# Altium PCB Railgun Control Board PCB.PcbDoc (part 1 of 2) (continued)
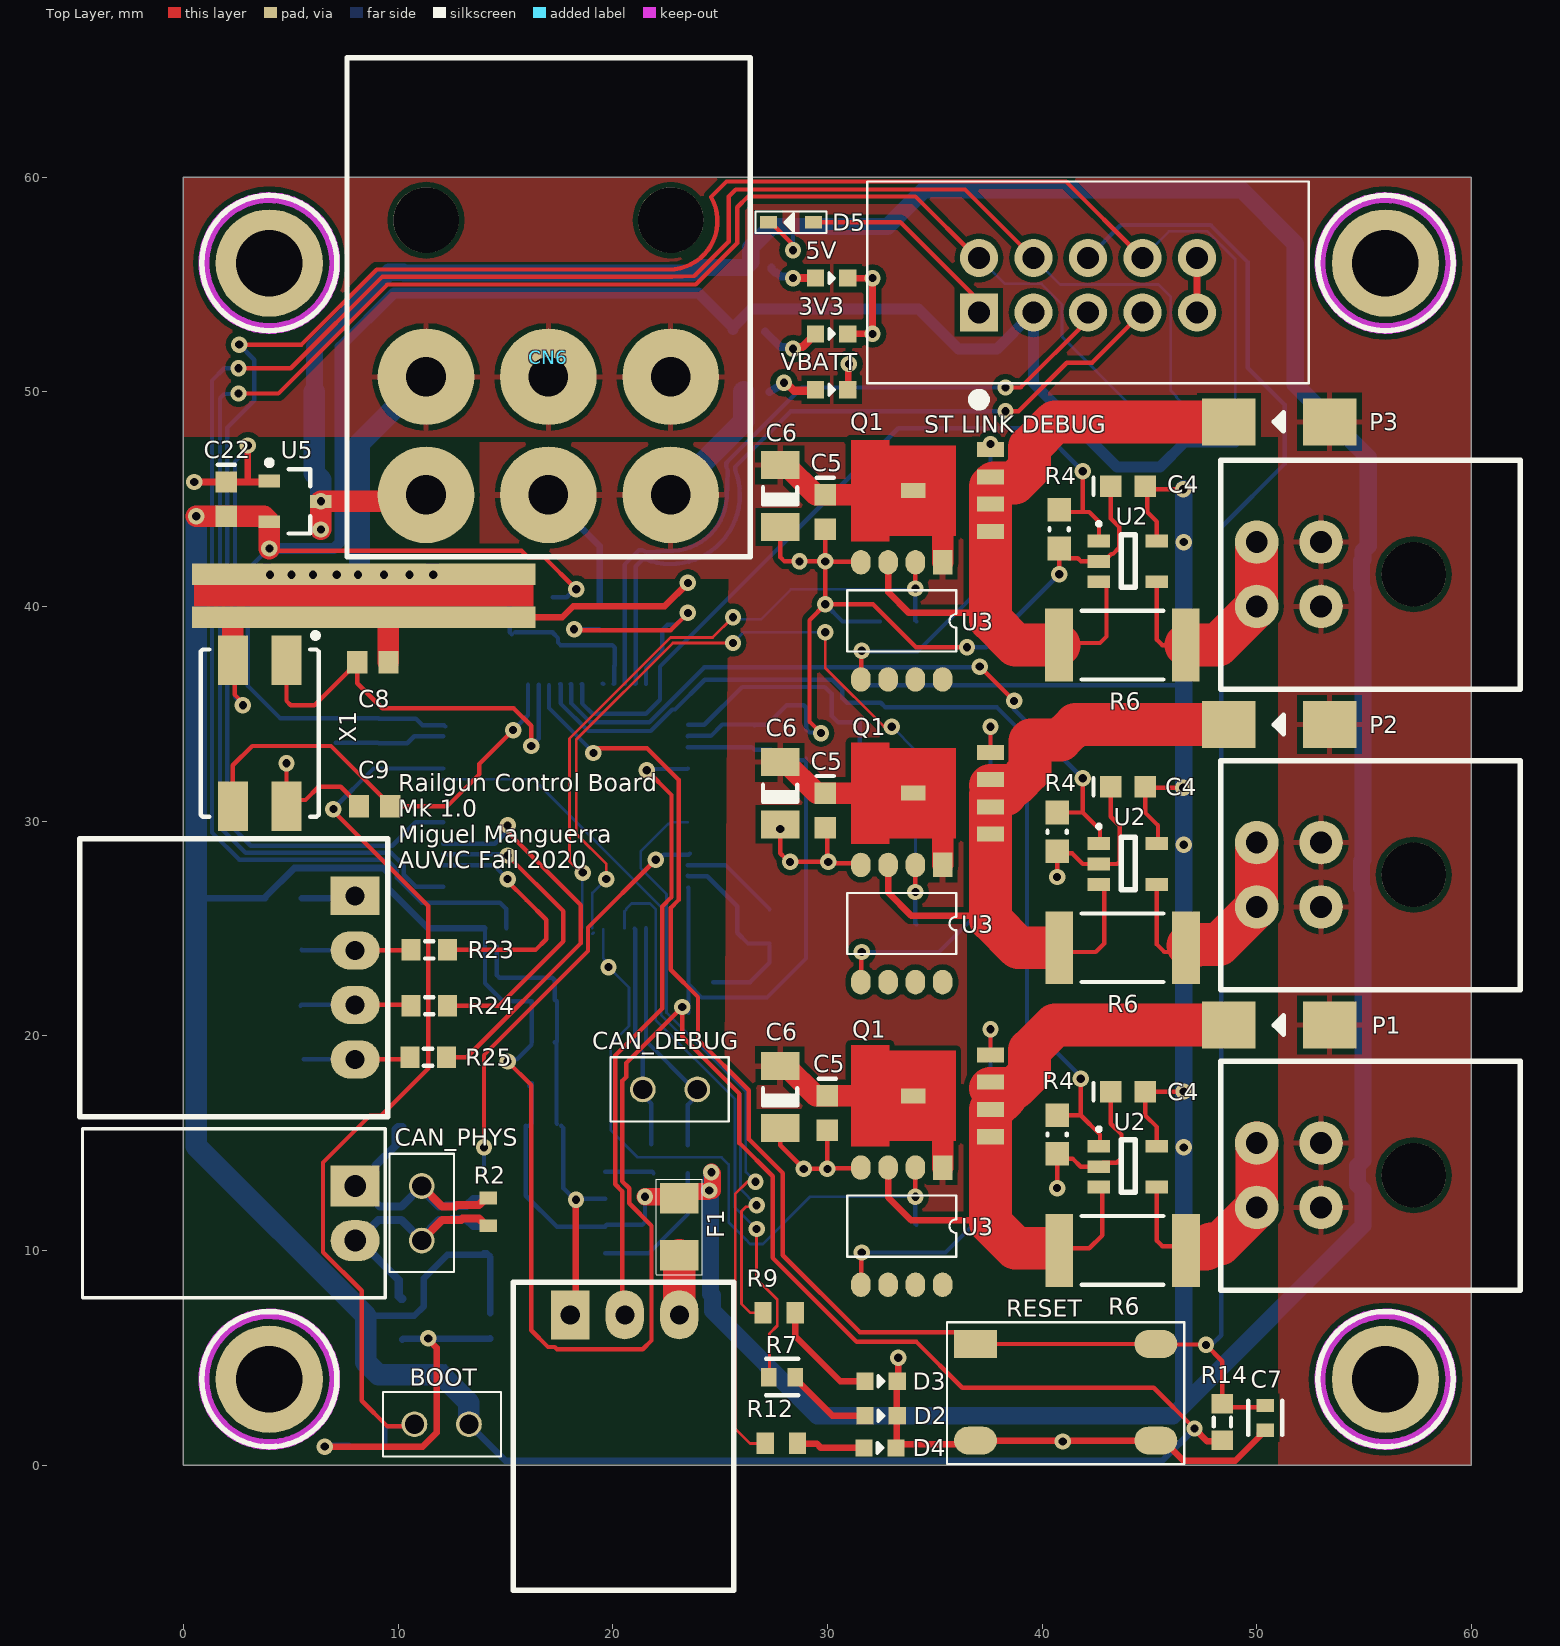
[diagram p0: Top Layer view]
## Classes and differential pairs
component class Gin1: C4_Gin1 C5_Gin1 C6_Gin1 CN2_Gin1 D1_Gin1 Q1_Gin1 R4_Gin1 R5_Gin1 R6_Gin1 U2_Gin1 U3_Gin1
component class Gin3: C4_Gin3 C5_Gin3 C6_Gin3 CN2_Gin3 D1_Gin3 Q1_Gin3 R4_Gin3 R5_Gin3 R6_Gin3 U2_Gin3 U3_Gin3
channel class "Control Gates": Gin2
net class Phase_Input[1..3]: Phase_Input1 Phase_Input2 Phase_Input3
net class Phase_Current[1..3]: Phase_Current1 Phase_Current2 Phase_Current3
component class Gin2: C6 CN2_Gin3 R4 U3
component class Power: 3V3 5V C20 C21 C22 CN6 R26 R27 R28 U5 VBATT
component class Micro: BOOT C7 C8 C9 C10 C11 C12 C13 C14 C15 C16 C17 C18 C19 D2 D3 D4 D5 F1 FB1 MH1 MH2 MH3 MH4 R7 R8 R9 R10 R11 R12 R13 R14 R15 R16 R17 R18 R19 R20 R21 R22 R23 R24 R25 RESET U4 X1
component class CAN: C1 C2 C3 CAN0 CAN_DEBUG CAN_PHYS CN1 R1 R2 R3 TVS1 TVS2 U1
differential pair CAN: +CAN_P -CAN_N

## Components (designator, comment, footprint, x,y, rotation, side; value= is the part's Value field where it differs from the comment)
3V3 "Green" FP-LB_Q39E-MFG 30.2,52.7 r180 top (schematic designator D8)
5V "Green" FP-LB_Q39E-MFG 30.2,55.3 r180 top (schematic designator D7)
BOOT "1x2 Male Header" "2X1 Males Header" 13.3,1.9 r180 top (schematic designator JP3)
C1 "CL10B104JB8NNNC" FP-CL10-0_1-MFG 16.8,17.8 r0 bottom
C2 "CL21B105KBFNNNG" "0803 CAP" 16.8,15.8 r0 bottom
C3 "CL10B104JB8NNNC" FP-CL10-0_1-MFG 14.3,6.5 r270 bottom
C4 "0.1uF" "CAPC1608N(0603\")" 44,45.6 r0 top
C4 "0.1uF" "CAPC1608N(0603\")" 44,31.6 r0 top
C4 "0.1uF" "CAPC1608N(0603\")" 44,17.4 r0 top
C5 "0.1uF" "CAPC1608N(0603\")" 29.9,44.4 r270 top
C5 "0.1uF" "CAPC1608N(0603\")" 29.9,30.5 r270 top
C5 "0.1uF" "CAPC1608N(0603\")" 30,16.4 r270 top
C6 "10uF 50V" "CAPC3216N(1206\")" 27.8,45.15 r270 top value=10µF
C6 "10uF 50V" "CAPC3216N(1206\")" 27.8,31.3 r270 top value=10µF
C6 "10uF 50V" "CAPC3216N(1206\")" 27.8,17.15 r270 top value=10µF
C7 "CL10B104JB8NNNC" FP-CL10-0_1-MFG 50.4,2.2 r270 top
C8 "16pF Ceramic 50V 5% 0603" CAPC1608X90X35ML10T15 8.825,37.4 r180 top
C9 "16pF Ceramic 50V 5% 0603" CAPC1608X90X35ML10T15 8.9,30.7 r0 top
C10 "CL10B104JB8NNNC" FP-CL10-0_1-MFG 14.6,40.5 r180 bottom
C11 "CL21B105KBFNNNG" "0803 CAP" 14.6,38.8 r180 bottom
C12 "2.2uF, 50V" "CAPC1608N(0603\")" 27.3,25.1 r270 bottom value=2.2µF
C13 "CL10B104JB8NNNC" FP-CL10-0_1-MFG 26.6,33.9 r90 bottom
C14 "CL10B104JB8NNNC" FP-CL10-0_1-MFG 24.1,22.5 r0 bottom
C15 "CL10B104JB8NNNC" FP-CL10-0_1-MFG 16.8,19.7 r0 bottom
C16 "CL10B104JB8NNNC" FP-CL10-0_1-MFG 16.8,21.6 r0 bottom
C17 "CL10B104JB8NNNC" FP-CL10-0_1-MFG 7.1,34.225 r270 bottom
C18 "CL10B104JB8NNNC" FP-CL10-0_1-MFG 9.1,34.2 r270 bottom
C19 "50V 10uF" CAPC3216X180X50LL20T30 28.9,34.1 r90 bottom
C20 "0.1uF, 50V, 10%, X7R, 1608" "CAPC1608N(0603\")" 5.3,50 r0 bottom
C21 "1uF 50V 0603 SMD, Ceramic" "CAPC1608N(0603\")" 5.3,47.4 r0 bottom value=1µF
C22 "1uF 50V 0603 SMD, Ceramic" "CAPC1608N(0603\")" 2,45 r270 top value=1µF
CAN_DEBUG "1x2 Male Header" "2X1 Males Header" 21.4,17.5 r0 top (schematic designator JP1)
CAN_PHYS "1x2 Male Header" "2X1 Males Header" 11.1,13 r270 top (schematic designator JP2)
CN1 "1x2 Shrouded Right Angle" "2X1 Female Header" 8,13 r0 top
CN2 "Header, Female, 2x2, RIght Angle, Pitch: 0.118\"  (3.00mm), THT" "2x2 Pitch 118mil connector" 53,29 r270 top
CN2 "Header, Female, 2x2, RIght Angle, Pitch: 0.118\"  (3.00mm), THT" "2x2 Pitch 118mil connector" 53,43 r270 top
CN2 "Header, Female, 2x2, RIght Angle, Pitch: 0.118\"  (3.00mm), THT" "2x2 Pitch 118mil connector" 53,15 r270 top
CN4 "Header, Male, 1x3, RA, Pitch (2.54mm) 0.1\"" 5-103635-2-Footprint-1 18.02,7 r90 top
CN5 "Header, Male, 1x4, RA, Pitch 0.1\" (2.54mm)" "HEADER, MALE, SHROUDED, 4x1, PITCH 0.1\" (2.54mm), RA" 8,26.52 r0 top
CN6 "76825-0006" 76825-0006-Footprint-1 11.3,50.7 r0 top
D2 "Red" FP-LB_Q39E-MFG 32.5,2.3 r180 top
D3 "Blue" FP-LB_Q39E-MFG 32.5,3.9 r180 top
D4 "Green" FP-LB_Q39E-MFG 32.45,0.8 r180 top
D5 "CUS08F30,H3F" SC-76 28.3,57.9 r180 top
F1 "SMD Fuse, 2A, 63V," "1206 SMD" 23.1,11.1 r90 top
FB1 "BLM18AG601SN1D" MURA-BLM18-F-H1-CHIP-2_V 17.2,39.6 r270 bottom
MH1 "Mount_Hole_3mm" Mount-Hole_3mm 4,4 r0 top locked
MH2 "Mount_Hole_3mm" Mount-Hole_3mm 4,56 r0 top locked
MH3 "Mount_Hole_3mm" Mount-Hole_3mm 56,56 r0 top locked
MH4 "Mount_Hole_3mm" Mount-Hole_3mm 56,4 r0 top locked
NT1 "Net Tie, 16x3mm" NETTIE_16x3mm 8.4,40.5 r270 top net-tie
P1 "TSSA5U50E3GCT-ND" DO-214AC 51.05,20.5 r180 top (schematic designator D1)
P2 "TSSA5U50E3GCT-ND" DO-214AC 51.05,34.5 r180 top (schematic designator D1)
P3 "TSSA5U50E3GCT-ND" DO-214AC 51.05,48.6 r180 top (schematic designator D1)
Q1 "MOSFET N-Channel" LFPAK-PowerSO8 37.6,43.495 r90 top
Q1 "MOSFET N-Channel" LFPAK-PowerSO8 37.6,29.395 r90 top
Q1 "MOSFET N-Channel" LFPAK-PowerSO8 37.6,15.295 r90 top
R1 "33R" RESC1608X55X25LL10T15 21.8,14.3 r270 bottom
R2 "120R" RESC1608X55X25LL10T15 14.2,11.8 r270 top
R3 "33R" RESC1608X55X25LL10T15 23.5,14.25 r270 bottom
R4 "80.6kR, 1%, 1/10W, 0603" RESC0603(1608)_M 40.8,43.6 r90 top
R4 "80.6kR, 1%, 1/10W, 0603" RESC0603(1608)_M 40.7,29.5 r90 top
R4 "80.6kR, 1%, 1/10W, 0603" RESC0603(1608)_M 40.7,15.4 r90 top
R5 "10kR" "RESC1608N(0603\")" 33.3,39.3 r180 bottom value=10k
R5 "10kR" "RESC1608N(0603\")" 33.3,25.2 r180 bottom value=10k
R5 "10kR" "RESC1608N(0603\")" 33.3,11.2 r180 bottom value=10k
R6 "0R02, 1%, 2W, 2512 SMD" "RESC6332N(2512\")" 43.745,38.2 r180 top value=0.02
R6 "0R02, 1%, 2W, 2512 SMD" "RESC6332N(2512\")" 43.75,24.1 r180 top value=0.02
R6 "0R02, 1%, 2W, 2512 SMD" "RESC6332N(2512\")" 43.75,10 r180 top value=0.02
R7 "CRCW0603330RFKEA" FP-CRCW0603-e3-IPC_C 27.885,4.1 r0 top
R8 "1kR" "RESC1608N(0603\")" 4.65,26.4 r0 bottom value=1k
R9 "RC0603FR-07110RL" RESC1608X55X25ML10T15 27.75,7.1 r0 top
R10 "10kR" "RESC1608N(0603\")" 4.65,24 r180 bottom value=10k
R11 "10kR" "RESC1608N(0603\")" 4.6,21.4 r180 bottom value=10k
R12 "RC0603FR-07110RL" RESC1608X55X25ML10T15 27.85,1.025 r0 top
R13 "10kR" "RESC1608N(0603\")" 4.75,18.9 r180 bottom value=10k
R14 "10kR" "RESC1608N(0603\")" 48.4,2 r90 top value=10k
R15 "ERJ-3EKF8252V" RESC1608X55X30LL15T15 19.4,39.5 r270 bottom
R16 "16kR, 1%, 1/10W, 0603 SMD" "RESC1608N(0603\")" 31.5,35.45 r90 bottom value=16k
R17 "10kR" "RESC1608N(0603\")" 8.55,0.9 r180 bottom value=10k
R18 "RC0603FR-0710KL" RESC1608X55X25NL10T15 22.3,39.6 r90 bottom
R19 "27kR" FP-CRGCQ0603-IPC_B 31.5,31.127 r90 bottom
R20 "10kR" "RESC1608N(0603\")" 44.2,48.5 r90 bottom value=10k
R21 "10kR" "RESC1608N(0603\")" 46.7,48.5 r90 bottom value=10k
R22 "10kR" "RESC1608N(0603\")" 49,48.5 r90 bottom value=10k
R23 "1kR" "RESC1608N(0603\")" 11.45,24 r180 top value=1k
R24 "1kR" "RESC1608N(0603\")" 11.45,21.4 r180 top value=1k
R25 "1kR" "RESC1608N(0603\")" 11.4,19 r180 top value=1k
R26 "6.34kR" RESC1609X50X30NL10T20 26.675,50 r0 bottom
R27 "536R" RESC1608X55X30LL15T15 26.775,55.8 r0 bottom
R28 "110R" RESC1608X55X25ML10T15 26.35,52.9 r0 bottom
RESET "PTS645SL43SMTR92LFS" 4-SPST-NO 37.1,5.638 r0 top (schematic designator SW1)
"ST LINK DEBUG" "ST Debug Header 10-pin THT" "10-pin shrouded header THT" 37.06,53.7 r0 top (schematic designator CN3)
TVS1 "PESD36VS2UT,215" SOT95P245X110-3N 11.4,16.7 r0 bottom
TVS2 "PESD36VS2UT,215" SOT95P245X110-3N 11.4,6.8 r0 bottom
U1 "CAN Transceiver" 8-SOIC 16.825,11.765 r180 bottom
U2 "INA168, Current Sensor, High-Side, Analog" SOT23-5 44,42.1 r270 top
U2 "INA168, Current Sensor, High-Side, Analog" SOT23-5 44,28 r270 top
U2 "INA168, Current Sensor, High-Side, Analog" SOT23-5 44,13.9 r270 top
U3 "MIC5014YM-TR" "SOC 8" 35.37,42.06 r270 top
U3 "MIC5014YM-TR" "SOC 8" 35.37,27.96 r270 top
U3 "MIC5014YM-TR" "SOC 8" 35.37,13.86 r270 top
U4 "STM32F413RGT6" FP-LQFP64-5W-IPC_A 17.8,30.7 r270 bottom
U5 "3.3V 250mA Linear Reg LDO" SOT95P245X110-3N 5.2,44.9 r0 top
VBATT "Green" FP-LB_Q39E-MFG 30.2,50.1 r180 top (schematic designator D6)
X1 "CRYSTAL 8.0MHZ 16PF SMD" QFN250P750X520X140_HS-5M 3.55,34.1 r270 top

## Footprints (in the part's own frame and the unit in brackets; to place one, negate y for a bottom-side part, rotate by r counter-clockwise, add the part's x,y. Pads: shape width x height; smd on the part's side, far side on the other; paste and mask are expansions set on the pad)
"2X1 Female Header" [mil]
  rect 90x75 hole 40: 1(0,0)
  oval 90x75 hole 40: 2(0,-100)
  silkscreen extent -500,-205 55,105, body extent -495,-200 40,100, height 273
"2X1 Males Header" [mm]
  round 1.2 hole 0.9: 1(0,0) 2(2.54,0)
  silkscreen extent -1.5,-1.5 4,1.5, body extent -1.27,-1.24 3.81,1.24, height 8.54
"2x2 Pitch 118mil connector" [mil]
  round 80 hole 40: 1(0,0) 2(117.99,0) 3(0,-118) 4(118,-118)
  round 118.11 hole 118.11: None(59.06,170.08)
  silkscreen extent -150,-184 270,365, body extent -141,-129 259,353, height 348
4-SPST-NO [mm]
  rect 2x1.3 smd: 1(-0.2,0)
  oval 2x1.3 smd: 2(8.2,0) 3(-0.2,-4.5) 4(8.2,-4.5)
  silkscreen extent -1.52,-5.59 9.53,1.02, body extent -0.56,-5.29 8.44,0.71, height 5
5-103635-2-Footprint-1 [mil]
  rect 90x70 hole 35: 1(0,0)
  oval 90x70 hole 35: 2(0,-100) 3(0,-200)
  silkscreen extent -505,-300 60,105, body extent -495,-295 40,100, height 280
8-SOIC [mm] "SOIC, 8-Leads, Body 5x4mm, Pitch 1.27mm, IPC Low Density"
  rrect15% 1.65x0.65 smd: 1(-2.825,1.905) 2(-2.825,0.635) 3(-2.825,-0.635) 4(-2.825,-1.905) 5(2.825,-1.905) 6(2.825,-0.635) 7(2.825,0.635) 8(2.825,1.905)
  silkscreen extent -2.95,-2.5 1.6,2.9, body extent -3,-2.45 3,2.45, height 1.63
"10-pin shrouded header THT" [mil]
  rect 70x70 hole 40: 1(0,0)
  round 70 hole 40: 2(100,0) 3(200,0) 4(300,0) 5(400,0) 6(0,100) 7(100,100) 8(200,100) 9(300,100) 10(400,100)
  silkscreen extent -205,-170 605,240, body extent -198,-124 598,234, height 358
"0803 CAP" [mm] "Chip Capacitor, 2-Leads, Body 2.00x1.25mm, IPC Medium Density"
  rect 1.2x1.4 smd: 1(-0.85,0) 2(0.85,0)
  body extent -1.05,-0.67 1.05,0.67, height 1.25
"1206 SMD" [mm]
  rect 1.42x1.78 smd: 1(-1.33,0) 2(1.33,0)
  silkscreen extent -2.22,-1.07 2.21,1.07, body extent -1.6,-0.8 1.6,0.8, height 0.6
76825-0006-Footprint-1 [mm]
  round 4.5 hole 1.85: 1(0,0) 2(5.7,0) 3(11.4,0) 4(0,-5.5) 5(5.7,-5.5) 6(11.4,-5.5)
  round 3.05 hole 3.05: None1(0,7.3) None2(11.4,7.3)
  silkscreen extent -3.68,-8.38 15.11,14.86, body extent -3.16,-6.03 14.6,15.93, height 14.54
"CAPC1608N(0603\")" [mm] "Chip Capacitor, Body 1.6x0.8mm (0603\"), IPC Medium Density"
  rect 1x1 smd: 1(-0.8,0) 2(0.8,0)
  silkscreen extent -1.6,-0.4 -1.6,0.4, body extent -0.8,-0.4 0.8,0.4, height 0.9
CAPC1608X90X35ML10T15 [mm] "Chip Capacitor, 2-Leads, Body 1.60x0.80mm, IPC Low Density"
  rect 0.95x1.05 smd: 1(-0.725,0) 2(0.725,0)
  body extent -0.85,-0.45 0.85,0.45, height 0.9
"CAPC3216N(1206\")" [mm] "Chip Capacitor, Body 3.2x1.6mm (1206\"), IPC Medium Density"
  rect 1.3x1.8 smd: 1(-1.45,0) 2(1.45,0)
  silkscreen extent -0.4,-0.8 0.4,0.8, body extent -1.6,-0.8 1.6,0.8, height 1
CAPC3216X180X50LL20T30 [mm] "Chip Capacitor, 2-Leads, Body 3.4x1.8mm, IPC High Density"
  rect 1.2x1.7 smd: 1(-1.25,0) 2(1.25,0)
  silkscreen extent -0.25,-0.75 0.25,0.75, body extent -1.7,-0.9 1.7,0.9, height 1.8
DO-214AC [mm]
  rect 2.5x2.2 smd: 1(-2.35,0) 2(2.35,0)
  silkscreen extent -0.2,-0.43 0.23,0.43, body extent -2.74,-1.4 2.74,1.4, height 2.26
FP-CL10-0_1-MFG [mm]
  rect 0.625x0.825 smd paste+0 mask+0: 1(-0.575,0) 2(0.575,0)
  silkscreen extent -0.8,-0.79 0.8,0.79, body extent -0.8,-0.4 0.8,0.4, height 0.9
FP-CRCW0603-e3-IPC_C [mm]
  rect 0.735x0.862 smd paste+0 mask+0: 1(-0.615,0) 2(0.615,0)
  silkscreen extent -0.75,-0.85 0.75,0.85, body extent -1.08,-0.58 1.08,0.58, height 0.25
FP-CRGCQ0603-IPC_B [mm]
  rect 0.958x0.912 smd paste+0 mask+0: 1(-0.727,0) 2(0.727,0)
  silkscreen extent -1.21,-0.86 1.21,0.86, body extent -0.8,-0.4 0.8,0.4, height 0.55
FP-LB_Q39E-MFG [mm]
  rect 0.8x0.8 smd paste+0 mask+0: 1(-0.75,0) 2(0.75,0)
  silkscreen extent -0.13,-0.25 0.13,0.25, body extent -1.25,-0.55 1.25,0.55, height 0.25
FP-LQFP64-5W-IPC_A [mm]
  rect 1.788x0.312 smd paste+0 mask+0: 1(-5.691,3.75)
  rrect100% 1.788x0.312 smd paste+0 mask+0: 2(-5.691,3.25) 3(-5.691,2.75) 4(-5.691,2.25) 5(-5.691,1.75) 6(-5.691,1.25) 7(-5.691,0.75) 8(-5.691,0.25) 9(-5.691,-0.25) 10(-5.691,-0.75) 11(-5.691,-1.25) 12(-5.691,-1.75) 13(-5.691,-2.25) 14(-5.691,-2.75) 15(-5.691,-3.25) 16(-5.691,-3.75) 33(5.691,-3.75) 34(5.691,-3.25) 35(5.691,-2.75) 36(5.691,-2.25) 37(5.691,-1.75) 38(5.691,-1.25) 39(5.691,-0.75) 40(5.691,-0.25) 41(5.691,0.25) 42(5.691,0.75) 43(5.691,1.25) 44(5.691,1.75) 45(5.691,2.25) 46(5.691,2.75) 47(5.691,3.25) 48(5.691,3.75)
  rrect100% 0.312x1.788 smd paste+0 mask+0: 17(-3.75,-5.691) 18(-3.25,-5.691) 19(-2.75,-5.691) 20(-2.25,-5.691) 21(-1.75,-5.691) 22(-1.25,-5.691) 23(-0.75,-5.691) 24(-0.25,-5.691) 25(0.25,-5.691) 26(0.75,-5.691) 27(1.25,-5.691) 28(1.75,-5.691) 29(2.25,-5.691) 30(2.75,-5.691) 31(3.25,-5.691) 32(3.75,-5.691) 49(3.75,5.691) 50(3.25,5.691) 51(2.75,5.691) 52(2.25,5.691) 53(1.75,5.691) 54(1.25,5.691) 55(0.75,5.691) 56(0.25,5.691) 57(-0.25,5.691) 58(-0.75,5.691) 59(-1.25,5.691) 60(-1.75,5.691) 61(-2.25,5.691) 62(-2.75,5.691) 63(-3.25,5.691) 64(-3.75,5.691)
  silkscreen extent -6.07,-4.25 4.25,4.68, body extent -6,-6 6,6, height 1.6
"HEADER, MALE, SHROUDED, 4x1, PITCH 0.1\" (2.54mm), RA" [mil]
  rect 90x70 hole 35: 1(0,0)
  oval 90x70 hole 35: 2(0,-100) 3(0,-200) 4(0,-300)
  silkscreen extent -505,-405 60,105, body extent -495,-397 40,97, height 270
LFPAK-PowerSO8 [mm] "LFPAK-PowerSO8"
  rect 0.7x1.25 smd: 1(0,0) 2(1.27,0) 3(2.54,0) 4(3.81,0)
  rect 0.7x1.15 smd: 5(1.905,3.6)
  Top Layer region: -0.195,1.625 4.005,1.625 4.005,4.725 4.255,4.725 4.255,6.5 3.74,6.5 3.1,6.5 1.9,6.5 -0.445,6.5 -0.445,4.725 -0.195,4.725
  body extent -0.59,-0.4 4.41,6.2, height 1.09
Mount-Hole_3mm [mm]
  round 5 hole 3.1: 1(0,0)
  Keep-Out Layer circle w0.508: c0,0 r3.048
  silkscreen extent -3.15,-3.15 3.15,3.15, body extent -2.25,-2.6 2.25,2.6, height 4.19
MURA-BLM18-F-H1-CHIP-2_V [mm] "Chip Ferrite Bead, 2-Leads, Body 1.6x0.8mm, Height 0.95mm, Flow"
  rect 0.95x0.7 smd: 1(-0.825,0) 2(0.825,0)
  body extent -0.8,-0.4 0.8,0.4, height 0.95
NETTIE_16x3mm [mm]
  rect 1x16 smd: 1(-1,0) 2(1,0)
  Top Layer region: -0.5,-7.9 0.5,-7.9 0.5,7.9 -0.5,7.9
QFN250P750X520X140_HS-5M [mm] "QFN, 4-Leads, Body 7.50x5.20mm, Pitch 2.50mm, Thermal Pad 4.10x1.10mm, IPC Low Density"
  rect 2.3x1.4 smd: 1(-3.4,1.25) 2(-3.4,-1.25) 3(3.4,-1.25) 4(3.4,1.25)
  silkscreen extent -4.67,-2.75 3.9,2.75, body extent -3.75,-2.6 3.75,2.6, height 1.4
RESC0603(1608)_M [mm] "Chip Resistor, Body 1.6x0.8mm, IPC Low Density"
  rect 1.1x1.1 smd: 1(-0.9,0) 2(0.9,0)
  silkscreen extent -0.05,-0.45 0.05,0.45, body extent -0.85,-0.47 0.85,0.47, height 0.6
"RESC1608N(0603\")" [mm] "Chip Resistor, Body 1.6x0.8mm (0603\"), IPC Medium Density"
  rect 0.9x1 smd: 1(-0.85,0) 2(0.85,0)
  silkscreen extent -0.2,-0.4 0.2,0.4, body extent -0.77,-0.42 0.78,0.43, height 0.44
RESC1608X55X25LL10T15 [mm] "Chip Resistor, 2-Leads, Body 1.60x0.80mm, IPC High Density"
  rect 0.6x0.8 smd: 1(-0.65,0) 2(0.65,0)
  body extent -0.85,-0.45 0.85,0.45, height 0.55
RESC1608X55X25ML10T15 [mm] "Chip Resistor, 2-Leads, Body 1.60x0.80mm, IPC Low Density"
  rect 0.8x1 smd: 1(-0.75,0) 2(0.75,0)
  body extent -0.85,-0.45 0.85,0.45, height 0.55
RESC1608X55X25NL10T15 [mm] "Chip Resistor, 2-Leads, Body 1.70x0.90mm, IPC Medium Density"
  rect 0.7x0.9 smd: 1(-0.7,0) 2(0.7,0)
  body extent -0.85,-0.45 0.85,0.45, height 0.55
RESC1608X55X30LL15T15 [mm] "Chip Resistor, 2-Leads, Body 1.60x0.80mm, IPC High Density"
  rect 0.7x0.85 smd: 1(-0.625,0) 2(0.625,0)
  body extent -0.87,-0.48 0.87,0.48, height 0.55
RESC1609X50X30NL10T20 [mm] "Chip Resistor, 2-Leads, Body 1.55x0.85mm, IPC Medium Density"
  rect 0.8x0.95 smd: 1(-0.625,0) 2(0.625,0)
  body extent -0.82,-0.48 0.82,0.48, height 0.5
"RESC6332N(2512\")" [mm] "Chip Resistor, Body 6.3x3.2mm (2512\"), IPC Medium Density"
  rect 1.3x3.4 smd: 1(-2.95,0) 2(2.95,0)
  silkscreen extent -1.9,-1.6 1.9,1.6, body extent -3.2,-1.6 3.2,1.6, height 0.6
SC-76 [mm]
  rect 0.8x0.6 smd: A(-1.05,0) K(1.05,0)
  silkscreen extent -1.65,-0.5 1.65,0.5, body extent -1.25,-0.65 1.25,0.6, height 0.9
"SOC 8" [mm]
  rect 1.14x0.91 smd: 1(0,0)
  oval 1.14x0.91 smd: 2(0,-1.27) 3(0,-2.54) 4(0,-3.81) 5(5.46,-3.81) 6(5.46,-2.54) 7(5.46,-1.27) 8(5.46,0)
  silkscreen extent 1.3,-4.44 4.16,0.64, body extent -0.33,-4.32 5.67,0.58, height 1.75
SOT23-5 [mm] "SOT23-5 SMT"
  rect 0.6x1.05 smd: 1(-0.95,-1.35) 2(0,-1.35) 3(0.95,-1.35) 4(0.95,1.35) 5(-0.95,1.35)
  silkscreen extent -1.8,-1.4 1.2,0.35, body extent -1.5,-1.25 1.5,1.25, height 1.1
SOT95P245X110-3N [mm] "SOT23, 3-Leads, Body 2.90x2.45mm, Pitch 0.95mm, IPC Medium Density"
  rect 1x0.6 smd: 1(-1.2,0.95) 2(-1.2,-0.95) 3(1.2,0)
  silkscreen extent -1.32,-1.5 0.7,1.92, body extent -1.3,-1.5 1.3,1.5, height 1.1

## Part data
3V3 5V D4 VBATT: library part CMP-00064-3, "LED GREEN DIFFUSED 0603 SMD", Case/Package=SMD/SMT, Forward Current=15mA, Forward Voltage=2.85V, Max Operating Temperature=85°C, Min Operating Temperature=-40°C, Reverse Voltage=5V, Test Current=5mA, Color=Green, Depth=0.9mm, Dominant Wavelength=530nm, Length=1.7mm, Lens Style=Diffused,Colorless,Rectangular, Luminous Flux=0.55lm, Luminous Intensity=280mcd, Mount="Surface Mount", Number of Elements=1, Number of LEDs=1, Number of Pins=2, Packaging="Tape and Reel", Radiation Hardening=No
BOOT CAN_DEBUG CAN_PHYS: library part CMP-004-0001-1, Component Type=Standard, Design Item ID="1x2 Male Header", Made By="Andy Bates", Pin Count=2, Source=AUVic_Schematic_Library_Connectors.SchLib
C1 C3 C7 C10 C13 C14 C15 C16 C17 C18: library part CMP-00000-3, "CAP CER 0.1UF 50V X7R 0603", Capacitance=0.1uF, Case Code (Imperial)=0603, Case Code (Metric)=1608, Dielectric=X7R, Max Operating Temperature=125°C, Min Operating Temperature=-55°C, Package Quantity=1, Tolerance=5%, Voltage=50V, Case/Package=0603, Contact Plating=Tin, Depth=0.8mm, Height=0.8mm, Length=1.6mm, Material=Ceramic, Mount="Surface Mount", Packaging="Tape and Reel", Radiation Hardening=No, Thickness=0.035inch, Voltage Rating=50V, Width=0.031inch
C2 C11: library part CMP-00005-1, "SAMSUNG ELECTRO-MECHANICS - CL21B105KBFNNNG - MLCC CAPACITORS", Capacitance=1uF, Case Code (Imperial)=0805, Case Code (Metric)=2012, Dielectric=X7R, Max Operating Temperature=125°C, Min Operating Temperature=-55°C, Package Quantity=3000, Tolerance=10%, Voltage=50V, Case/Package=0805, Contact Plating=Tin, Depth=1.25mm, Length=2mm, Material=Ceramic, Mount="Surface Mount", Packaging="Tape and Reel", Termination=Wraparound, Thickness=0.053inch, Voltage Rating=50V, Width=0.049inch
C4 C4 C4 C5 C5 C5 C20: library part CMP-006-0008-1, "CAP CER 0.1UF 50V 10% X7R 1608 (0603)", Capacitance=0.1µF, Manufacturer="Samsung Electro-Mechanics America, Inc", Manufacturer Part Number=CL10B104KB8SFNC, Operating Temperature="-55°C ~ 125°C", Package / Case="0603 (1608 Metric)", Ratings=-, Temperature Coefficient=X7R, Tolerance=±10%, Voltage - Rated=50V, Applications="Boardflex Sensitive", Category=Capacitors, Component Type=Standard, ComponentLink1Description=http://www.samsungsem.com/servlet/FileDownload?type=spec&file=CL10B104KB8SFNC.pdf, ComponentLink1URL=http://www.samsungsem.com/servlet/FileDownload?type=spec&file=CL10B104KB8SFNC.pdf, Design Item ID="0.1uF, 50V, 10%, X7R, 1608", Features="Soft Termination", Height - Seated (Max)=-, Lead Spacing=-, Lead Style=-, Mounting Type="Surface Mount, MLCC", Packaging="Cut Tape (CT)", Pin Count=2, Pricing 1="1=0.12, 10=0.033, 25=0.0232, 100=0.0152, 500=0.01064, 1000=0.00829 (CAD)", RoHS="RoHS Compliant", Size / Dimension="0.063\" L x 0.031\" W (1.60mm x 0.80mm)", Source=AUVic_Schematic_Library_Capacitors.SchLib, Stock 1=743572, Thickness (Max)="0.035\" (0.90mm)"
C6 C6 C6: library part CMP-006-0018-1, "Capacitor, Ceramic, 50V, +/- 10%, 1206 SMD, X5R", Component Type=Standard, Design Item ID="10uF 50V 1206 SMD, Ceramic", PackageDescription="Chip Capacitor", Pin Count=2, Published=14-06-01, Publisher=AUVic, Source=AUVic_Schematic_Library_Capacitors.SchLib
C8 C9: library part CMP-00087-2, "Cap Ceramic 16pF 50V C0G 5% SMD 0603 125C Paper T/R", Capacitance=16pF, Case Code (Imperial)=0603, Case Code (Metric)=1608, Dielectric=C0G, Max Operating Temperature=125°C, Min Operating Temperature=-55°C, Package Quantity=1, Temperature Coefficient=30ppm/°C, Tolerance=5%, Voltage="16pF 50V", Voltage Rating=50V, Case/Package=0603, Depth=0.8mm, Height=0.8mm, Lead Free="Lead Free", Length=1.6mm, Mount="Surface Mount", Packaging="Tape and Reel", Radiation Hardening=No, Termination=SMD/SMT, Thickness=0.035inch, Voltage Rating (DC)=50V, Width=0.8mm
C12: library part CMP-006-0030-1, "Capacitor, Ceramic, 50V, 10%, 0603 SMD, X5R", Component Type=Standard, Design Item ID="2.2uF, 50V, 0603 SMD, X5R, Ceramic", PackageDescription="Chip Capacitor", Pin Count=2, Publisher=AUVic, Source=AUVic_Schematic_Library_Capacitors.SchLib
C19: library part CMP-00004-1, "Cap Ceramic 10uF 50V X7R 10% Pad SMD 1206 125°C T/R", Capacitance=10uF, Case Code (Imperial)=1206, Case Code (Metric)=3216, Dielectric=X7R, Max Operating Temperature=125°C, Min Operating Temperature=-55°C, Tolerance=10%, Voltage Rating=50V, Case/Package=1206, Lead Free="Lead Free", Length=0.126inch, Mount="Surface Mount", Packaging="Tape and Reel", Thickness=0.071inch, Voltage Rating (DC)=50V, Width=0.063inch
C21 C22: library part CMP-006-0028-1, "Capacitor, Ceramic, 50V, +/- 10%, 0603 SMD, X5R", Component Type=Standard, Created By="Lyden Smith", Date Created=2017-10-26, Design Item ID="1uF 50V 0603 SMD, Ceramic", PackageDescription="Chip Capacitor", Pin Count=2, Source=AUVic_Schematic_Library_Capacitors.SchLib
CN1: library part CMP-00010-3, "02 MTE HDR SRRA LATCH", Color=Black, Contact Current Rating=3A, Contact Resistance=15mR, Flammability Rating="UL94 V-0", Insulation Resistance=5GR, Max Operating Temperature=105°C, Min Operating Temperature=-65°C, Package Quantity=68, Approvals=CSA, Backwall/Post Interruptions="No (Without)", Connector Type=Plug,Header,Pin, Contact Gender=Male, Contact Material=Brass, Contact Mating Length=0.23inch, Contact Plating=Gold,Tin,Matte, Contact Retention="Yes (With)", Contact Shape=Square, Current Rating=3A, Depth=13.59mm, ELV=Compliant, Gender=Male, Height=13.59mm, Housing Color=Black, Housing Material=Thermoplastic, Lead Free="Lead Free", Length=7.62mm, Mating Alignment="Yes (With)", Mating Retention="Yes (With)", Mount="Through Hole", Number of Contacts=2, Number of Positions=2, Number of Rows=1, Orientation="Right Angle", Packaging=Rail/Tube, PCB Mount Alignment="No (Without)", PCB Mount Retention=Without, PCB Mounting Orientation="Right Angle", PCB Thickness=0.062inch, Pitch=2.54mm, REACH SVHC=Unknown, Row Spacing=0.1inch, Strain Relief="No (Without)", Tail Length=3.3mm, Termination=Crimp
CN2 CN2 CN2: library part CMP-005-0021-4, "Connector Header Through Hole, Right Angle 4 position 0.118\" (3.00mm)", Component Type=Standard, Created By="Poorna Chander Kalidas", Date Published=2020-05-16, Design Item ID="Header, Female, 2x2, RIght Angle, Pitch: 0.118\"  (3.00mm), THT", Pin Count=4, Publisher=AUVic, Source=AUVic_Schematic_Library_Connectors.SchLib
CN4: library part CMP-00099-4, "CONN HEADER RT/A .100 3POS 15AU", Color=Black, Contact Current Rating=3A, Contact Resistance=15mR, Flammability Rating="UL94 V-0", Insulation Resistance=5GR, Max Operating Temperature=105°C, Min Operating Temperature=-65°C, Package Quantity=52, Approvals=CSA, Backwall/Post Interruptions="No (Without)", Connector Type=Plug,Header,Pin, Contact Gender=Male, Contact Material=Brass, Contact Mating Length=0.23inch, Contact Plating=Gold,Tin,Matte, Contact Retention="Yes (With)", Contact Shape=Square, Current Rating=3A, Depth=13.59mm, Height=13.59mm, Housing Color=Black, Housing Material=Thermoplastic, Lead Pitch=2.54mm, Length=0.4inch, Mating Alignment="Yes (With)", Mating Retention="Yes (With)", Mount="Through Hole", Number of Contacts=3, Number of Positions=3, Number of Rows=1, Orientation="Right Angle", Packaging=Rail/Tube, PCB Mount Alignment="No (Without)", PCB Mount Retention=Without, PCB Mounting Orientation="Right Angle", Pitch=2.54mm, Plating Thickness=2.54um, REACH SVHC="No SVHC", Row Spacing=0.1inch, Strain Relief="No (Without)", Tail Length=3.3mm, Termination=Crimp, Width=0.4inch
CN5: library part CMP-005-0029-3, "Connector Header Through Hole, Right Angle 4 position 0.100\" (2.54mm)", Component Type=Standard, Created By="Miguel Manguerra", Created On=2020-05-20, Design Item ID="Header, Male, 1x4, RA, Pitch 0.1\" (2.54mm)", Pin Count=4, Source=AUVic_Schematic_Library_Connectors.SchLib
CN6: library part CMP-00049-2, "CONNECTOR, HEADER, 6POS, 2ROW, 5.7MM; Product Range:Mega-Fit 76825 Series; Contact Termination Type:Through Hole; Gender:Header; No. of Contacts:6; Pitch Spacing:5.7mm; Contact Plating:Tin Plated Contacts; Contact Material:Copper", Color=Black, Contact Material=Copper, Contact Plating=Tin, Gender=Male, Mount="Through Hole", Number of Circuits=6, Number of Contacts=6, Number of Pins=6, Number of Rows=2, Orientation="Right Angle", Pitch=5.7mm, REACH SVHC=Unknown, Termination="Through Hole"
D2: library part CMP-00066-2, "LED Red 645nm 2-Pin Chip 0603(1608Metric) T/R", Case Code (Imperial)=0603, Case Code (Metric)=1608, Forward Current=25mA, Forward Voltage=2.5V, Lens Color=White, Max Operating Temperature=85°C, Min Operating Temperature=-30°C, Package Quantity=1, Power Dissipation=65mW, Reverse Voltage=12V, Test Current=20mA, Case/Package=0603, Color=Red, Depth=0.9mm, Dominant Wavelength=633nm, Height=0.8mm, Illumination Color=Red, Length=1.7mm, Lens Size=0.8mm, Lens Style=Diffused,Flat,Colorless,Rectangular, Lens Transparency=Diffused, Luminous Flux=0.33lm, Luminous Intensity=180mcd, Mount="Surface Mount", Number of Elements=1, Number of LEDs=1, Number of Pins=2, Packaging="Tape and Reel", Radiation Hardening=No, Viewing Angle=160°, Width=0.8mm
D3: library part CMP-00063-3, "LED BLUE DIFFUSED 0603 SMD", Case Code (Imperial)=0603, Case Code (Metric)=1608, Forward Voltage=2.85V, Lens Color=White, Test Current=5mA, Case/Package=0603, Color=Blue, Dominant Wavelength=470nm, Height=0.4mm, Length=1.6mm, Lens Size=0.8mm, Lens Style=Flat,Diffused,Colorless,Rectangular, Lens Transparency=Diffused, Luminous Flux=0.13lm, Luminous Intensity=42mcd, Mount="Surface Mount", Number of LEDs=1, Number of Pins=2, Packaging="Tape and Reel", Radiation Hardening=No, Viewing Angle=130°, Width=0.8mm
D5: library part CMP-057-0000-2, "Diode Schottky 30V 800mA Surface Mount USC", Average Rectified Current=800mA, Case/Package=SOD, Max Operating Temperature=125°C, Max Repetitive Reverse Voltage (Vrrm)=30V, Min Operating Temperature=-55°C, Peak Non-Repetitive Surge Current=5A, Peak Reverse Current=50uA, Contact Plating=Tin,Silver, Element Configuration=Single, Max Reverse Voltage (DC)=30V, Mount="Surface Mount", Number of Pins=2, Packaging="Tape and Reel"
F1: library part CMP-027-0004-1, "SMD Fuse, 2A, 63VAC", Current=2A, Component Type=Standard, ComponentLink1Description=Digi-Key, ComponentLink1URL=https://www.digikey.ca/product-detail/en/bel-fuse-inc/C1F-2/507-1881-1-ND/4968159, Created By="Poorna Chander Kalidas", Date Created=2018-06-07, Design Item ID="SMD Fuse, 2A, 63V,", Pin Count=2, Source=AUVic_Integrated_Library_Fuses.SchLib, Type=SMD
FB1: library part CMP-00016-1, "MURATA - BLM18AG601SN1D - Feritový Korálek, 0603 / 1608, 600 ohm, 500 mA, Série BLM18A, 0.38 ohm, ± 25%", Case Code (Imperial)=0603, Case Code (Metric)=1608, Current Rating=500mA, DC Resistance (DCR)=380mR, Frequency=100MHz, Max Operating Temperature=125°C, Min Operating Temperature=-55°C, Package Quantity=1, Tolerance=25%, Case/Package=0603, Core Material=Ferrite, DC Current=500mA, Depth=0.8mm, Height=0.8mm, Impedance=600R, Lead Free="Lead Free", Length=1.6mm, Material=Steel,Ferrite, Max Current Rating=500mA, Max DC Current=500mA, Military Standard=Not, Number of Circuits=1, Number of Lines=1, Number of Pins=2, Packaging="Tape and Reel", Radiation Hardening=No, REACH SVHC="No SVHC", Shielding=Unshielded, Termination=SMD/SMT, Test Frequency=100MHz, Weight=7.1E-05oz, Width=0.8mm
MH1 MH2 MH3 MH4: library part CMP-004-0010-4, "Mounting hold for M3 hex standoff", Component Type=Standard, Design Item ID=Mount_Hole_3mm, Pin Count=1, Source=AUVic_Schematic_Library_Connectors.SchLib
NT1: library part CMP-053-0004-1, Component Type="Net Tie", Created By="Ashwin Sira", Date Created=2016-06-17, Design Item ID="Net Tie, 16x3mm", Pin Count=2, Publisher=AUVic, Size=16mmx3mm, Source=AUVic_Integrated_Library_Virtual_Components.SchLib
P1 P2 P3: library part CMP-057-0021-1, "Diode Schottky 50V 5A Surface Mount DO-214AC (SMA)", Component Type=Standard, Created By="Poorna Chander Kalidas", Date Created=2018-06-01, Design Item ID=TSSA5U50E3GCT-ND, Pin Count=2, Source=AUVic_Schematic_Library_Diodes.SchLib
Q1 Q1 Q1: library part CMP-052-0019-1, "MOSFET N-Channel, 40V, 100A, 272W, Enh-Mode", Component Type=Standard, Created By="Ashwin Sira", Design Item ID="MOSFET N-Channel, 40V, 100A, 272W", Latest_Revision_By="Ashwin Sira", Latest_Revision_Date=2016_04_26, Latest_Revision_Note="Attached footprint", MFG="NXP Semiconductors", MFG#=PSMN1R8-40YLC,115, Pin Count=5, Publisher=AUVic, Reviewed_By="Ashwin Sira", Reviewed_Date=2016_04_26, Source=AUVic_Schematic_Library_Transistors.SchLib
R1 R3: library part CMP-00060-1, "Res Thick Film 0603 33 Ohm 1% 1/10W +/-100ppm/ßC Molded SMD Paper T/R", Case Code (Imperial)=0603, Case Code (Metric)=1608, Max Operating Temperature=155°C, Max Power Dissipation=100mW, Min Operating Temperature=-55°C, Package Quantity=1, Temperature Coefficient=100ppm/°C, Tolerance=1%, Voltage Rating=75V, Voltage Rating (DC)=50V, Case/Package=0603, Composition="Thick Film", Depth=0.8mm, Features="Moisture Resistant", Height=0.45mm, Lead Free="Lead Free", Lead Pitch=0.3mm, Length=1.6mm, Military Standard=Not, Number of Pins=2, Number of Terminations=2, Packaging="Tape and Reel", Power Rating=100mW, REACH SVHC="No SVHC", Resistance=33R, Termination=SMD/SMT, Weight=7.1E-05oz, Width=0.8mm
R2: library part CMP-00061-1, "Res Thick Film 0603 120 Ohm 1% 0.1W(1/10W) ±100ppm/C Epoxy SMD T/R", Case Code (Imperial)=0603, Case Code (Metric)=1608, Max Operating Temperature=155°C, Max Power Dissipation=100mW, Min Operating Temperature=-55°C, Package Quantity=1, Temperature Coefficient=100ppm/°C, Tolerance=1%, Voltage Rating=50V, Case/Package=0603, Composition="Thick Film", Depth=0.8mm, Features="Moisture Resistant", Height=0.022inch, Lead Free="Lead Free", Length=1.6mm, Military Standard=Not, Number of Pins=2, Number of Terminations=2, Packaging="Tape and Reel", Power Rating=100mW, REACH SVHC="No SVHC", Resistance=120R, Termination=SMD/SMT, Voltage Rating (DC)=50V, Width=0.031inch